# Altium PCB BA-77GHz-Radar_Frontend.PcbDoc (part 2 of 4)
Units mm, origin at the board's own origin, x right, y up, seen from the top; angles counter-clockwise.
Board outline 160 x 110 mm, 6 copper layers (Top Copper, Signal Layer 1, Signal Layer 2, Signal Layer 3, Signal Layer 4, Bot Copper), stack 1.67 mm thick; 271 components, 238 nets, 1207 pads, 1481 vias.
Unrouted connection lines stored in the file: 391.
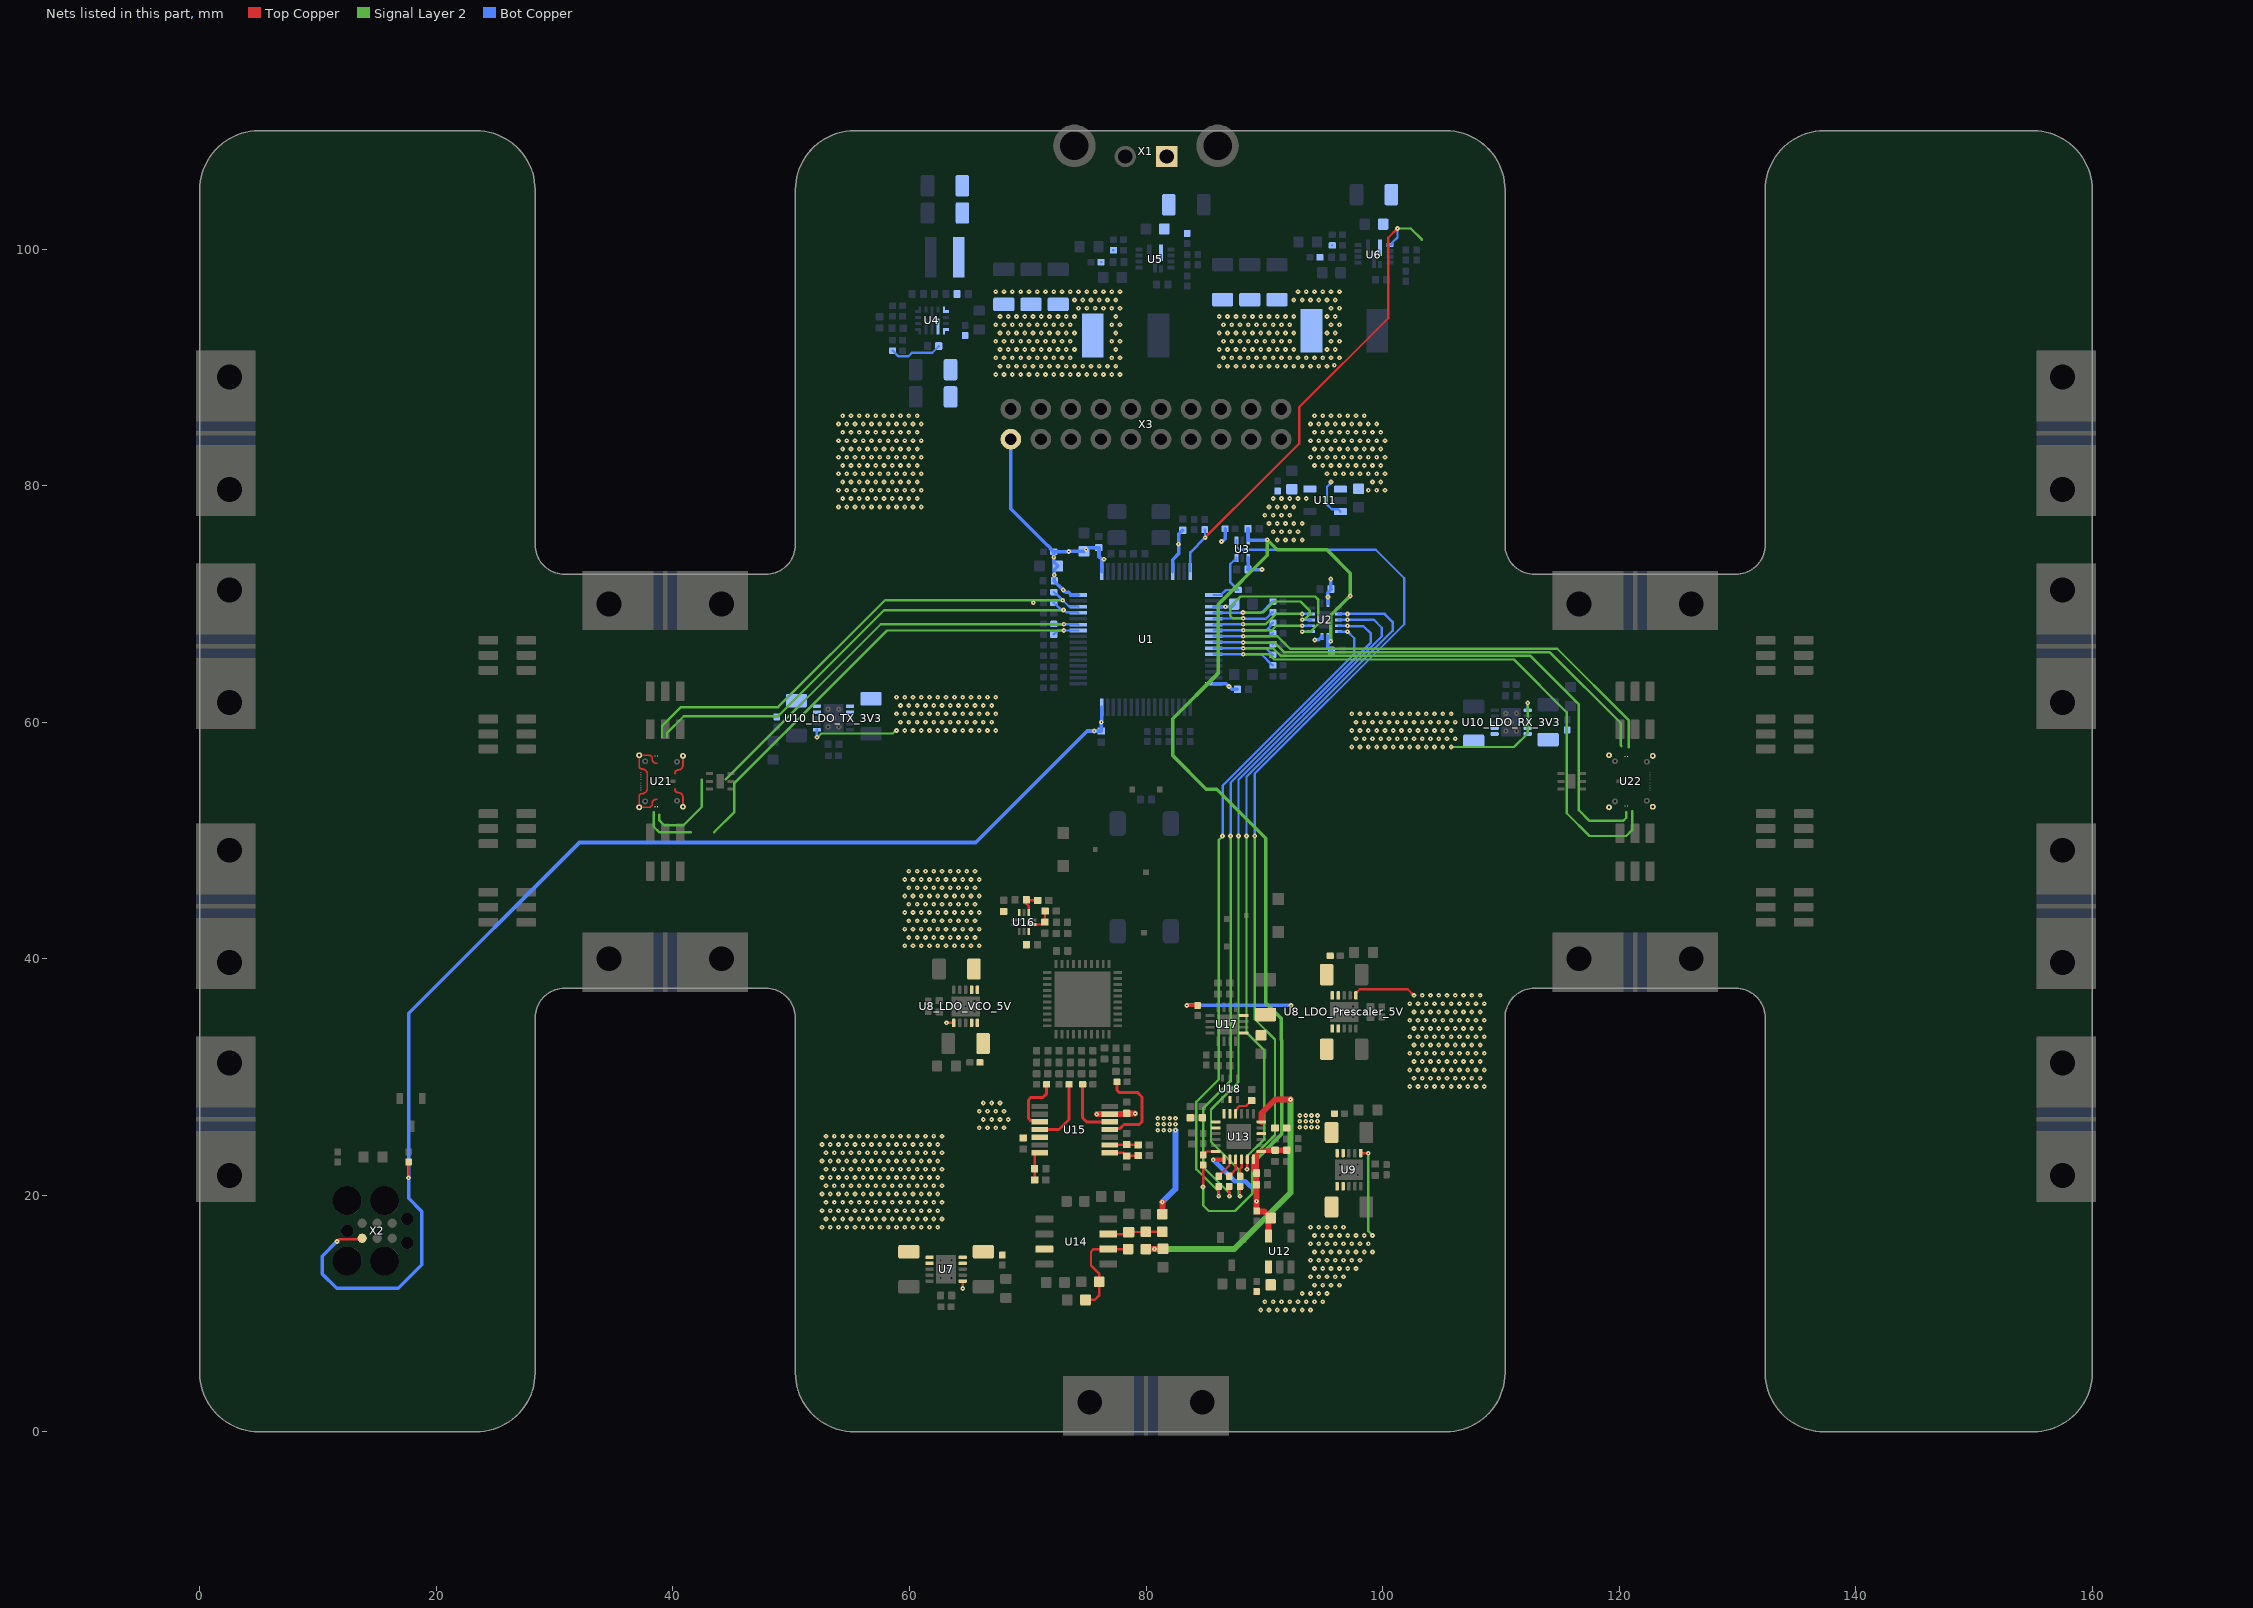
[diagram p4: the nets of this part, all layers, seen from the top]

## Footprints (in the part's own frame and the unit in brackets; to place one, negate y for a bottom-side part, rotate by r counter-clockwise, add the part's x,y. Pads: shape width x height; smd on the part's side, far side on the other; paste and mask are expansions set on the pad) (continued)
RUVETX1_LO_20GHz [mm] "RUVETX1 mit 20GHz LO"
  rect 0.325x0.4 smd mask+0: 1(0,-1)
  rect 0.1x0.1 smd mask+0: 2(0.15,1.716) 3(0.35,1.716) 4(0.55,1.716) 5(0.75,1.716) 8(2.15,0.3) 9(2.15,0.5) 10(-0.15,1.716) 11(-0.35,1.716) 12(-0.55,1.716) 13(-0.75,1.716)
  rect 0.01x0.2 smd: 6(1.155,-0.492) 7(1.155,-0.158) 14(-1.155,-0.492) 15(-1.155,-0.158)
  rect 0.1x0.1 smd: 16(-2.15,0.3) 17(-2.15,0.5)
  round 0.5 hole 0.2 mask+0: 18(-2.2,1.85) 18(-2.15,-1.85) 18(2.15,-1.85) 18(2.2,1.85) 19(-1.7,1.35) 19(-1.65,-1.35) 19(1.65,-1.35) 19(1.7,1.35)
  rect 0.058x0.075 on Mech2: D1(0,0.608) D1(0,-0.608)
  rect 0.085x0.105 on Mech2: D2(0.28,-0.593) D3(0.38,-0.593) D4(0.58,-0.593) D5(0.68,-0.593) D10(-0.28,-0.593) D11(-0.38,-0.593) D12(-0.58,-0.593) D13(-0.68,-0.593) D18(-0.18,0.592) D18(0.18,0.592) D19(-0.78,-0.593) D19(-0.48,-0.593) D19(-0.18,-0.593) D19(0.18,-0.593) D19(0.48,-0.593) D19(0.78,-0.593)
  rect 0.085x0.095 on Mech2: D2(0.38,0.597) D3(0.48,0.597) D4(0.68,0.597) D5(0.78,0.597) D10(-0.38,0.597) D11(-0.48,0.597) D12(-0.68,0.597) D13(-0.78,0.597)
  rect 0.078x0.058 on Mech2: D6(0.952,-0.4) D7(0.952,-0.25) D14(-0.952,-0.4) D15(-0.952,-0.25) D19(-0.952,-0.475) D19(-0.952,-0.325) D19(-0.952,-0.175) D19(0.952,-0.475) D19(0.952,-0.325) D19(0.952,-0.175)
  rect 0.105x0.085 on Mech2: D8(0.796,0.215) D9(0.937,0.415) D16(-0.796,0.215) D17(-0.937,0.415) D18(-0.937,0.015) D18(-0.937,0.115) D18(0.937,0.015) D18(0.937,0.115) D19(-0.937,-0.085) D19(-0.937,0.215) D19(0.937,-0.085) D19(0.937,0.215)
  rect 0.085x0.085 on Mech2: D19(-0.58,0.602) D19(-0.28,0.602) D19(0.28,0.602) D19(0.58,0.602)
  rect 0.078x0.075 on Mech2: D19(-0.085,0.608) D19(-0.085,-0.608) D19(0.085,0.608) D19(0.085,-0.608)
  rect 0.325x0.4 on Mech2 mask+0: L1(0,-1)
  rect 0.1x0.1 on Mech2: L2(0.15,1.716) L3(0.35,1.716) L4(0.55,1.716) L5(0.75,1.716) L8(2.15,0.3) L9(2.15,0.5) L10(-0.15,1.716) L11(-0.35,1.716) L12(-0.55,1.716) L13(-0.75,1.716) L16(-2.15,0.3) L17(-2.15,0.5) L18(-1.737,1.85) L19(0.419,-0.862)
  rect 0.01x0.2 on Mech2: L6(1.155,-0.492) L7(1.155,-0.158) L14(-1.155,-0.492) L15(-1.155,-0.158)
  Top Copper region: 1.65,-1.6 1.746,-1.581 1.827,-1.527 1.881,-1.446 1.9,-1.35 1.9,-1.35 1.881,-1.254 1.827,-1.173 1.746,-1.119 1.65,-1.1 1.65,-1.1 1.419,-1.054 1.223,-0.923 1.223,-0.923 1.1,-0.8 0.35,-0.8 0.35,-0.925 0.925,-0.925 0.971,-0.934 1.01,-0.96 1.01,-0.96 1.4,-1.35 1.419,-1.446 1.473,-1.527 1.554,-1.581 1.65,-1.6
  Top Copper region: 1.7,1.1 1.796,1.119 1.877,1.173 1.931,1.254 1.95,1.35 1.95,1.35 1.931,1.446 1.877,1.527 1.796,1.581 1.7,1.6 1.7,1.6 1.604,1.581 1.523,1.527 1.469,1.446 1.45,1.35 1.45,1.35 1.333,1.233 1.02,1.024 0.65,0.95 0.65,0.95 0,0.95 0,0.8 1.15,0.8 1.15,0.3 1.3,0.3 1.374,0.67 1.583,0.983 1.583,0.983
  Top Copper region: -1.7,1.1 -1.796,1.119 -1.877,1.173 -1.931,1.254 -1.95,1.35 -1.95,1.35 -1.931,1.446 -1.877,1.527 -1.796,1.581 -1.7,1.6 -1.7,1.6 -1.604,1.581 -1.523,1.527 -1.469,1.446 -1.45,1.35 -1.45,1.35 -1.333,1.233 -1.02,1.024 -0.65,0.95 -0.65,0.95 0,0.95 0,0.8 -1.15,0.8 -1.15,0.3 -1.3,0.3 -1.374,0.67 -1.583,0.983 -1.583,0.983
  Top Copper region: -1.65,-1.6 -1.746,-1.581 -1.827,-1.527 -1.881,-1.446 -1.9,-1.35 -1.9,-1.35 -1.881,-1.254 -1.827,-1.173 -1.746,-1.119 -1.65,-1.1 -1.65,-1.1 -1.419,-1.054 -1.223,-0.923 -1.223,-0.923 -1.1,-0.8 -0.35,-0.8 -0.35,-0.925 -0.925,-0.925 -0.971,-0.934 -1.01,-0.96 -1.01,-0.96 -1.4,-1.35 -1.419,-1.446 -1.473,-1.527 -1.554,-1.581 -1.65,-1.6
  Top Copper pour cut-out: -2.433,2.065 2.43,2.065 2.43,-2.049 -2.433,-2.049
  Top Copper lines w0.15: 1.525,0.35 1.525,0.38 ; -0.645,-1.17 -0.695,-1.17 ; 0.645,-1.17 0.695,-1.17 ; -2.15,-1.85 -1.375,-1.85 ; -2.2,1.85 -2.2,1.393 ; -2.2,1.85 -1.274,1.85 ; -2.2,1.85 -1.274,1.85 ; -1.274,1.85 cw(c-1.274,1.623) -1.047,1.623 ; -1.274,1.85 cw(c-1.274,1.623) -1.047,1.623 ; 1.274,1.85 ccw(c1.274,1.623) 1.047,1.623 ; 1.274,1.85 ccw(c1.274,1.623) 1.047,1.623 ; 1.274,1.85 2.2,1.85 ; 1.274,1.85 2.2,1.85 ; 2.2,1.85 2.2,1.393 2.2,1.019 ; -1.047,1.623 ccw(c-0.594,1.623) -0.594,1.17 ; -1.047,1.623 ccw(c-0.594,1.623) -0.594,1.17 ; 1.047,1.623 cw(c0.594,1.623) 0.594,1.17 ; 1.047,1.623 cw(c0.594,1.623) 0.594,1.17 ; -2.2,1.393 -2.2,1.019 ; -2.2,1.393 -2.2,1.019 ; -0.594,1.17 0,1.17 ; 0,1.17 0.594,1.17 ; 0,1.17 0.594,1.17 ; -2.2,1.019 ccw(c-1.93,1.019) -2.121,0.828 ; -2.2,1.019 ccw(c-1.93,1.019) -2.121,0.828 ; 2.2,1.019 cw(c1.93,1.019) 2.121,0.828 ; 2.2,1.019 cw(c1.93,1.019) 2.121,0.828 ; -2.121,0.828 -2.118,0.825 ; -2.121,0.828 -2.118,0.825 ; 2.121,0.828 2.118,0.825 ; 2.121,0.828 2.118,0.825 ; -2.118,0.825 ccw(c-1.905,1.039) -1.905,0.737 ; -2.118,0.825 ccw(c-1.905,1.039) -1.905,0.737 ; 2.118,0.825 cw(c1.905,1.039) 1.905,0.737 ; 2.118,0.825 cw(c1.905,1.039) 1.905,0.737 ; -1.905,0.737 -1.789,0.737 ; -1.789,0.737 cw(c-1.789,0.539) -1.649,0.679 ; -1.789,0.737 cw(c-1.789,0.539) -1.649,0.679 ; 1.789,0.737 ccw(c1.789,0.539) 1.649,0.679 ; 1.789,0.737 ccw(c1.789,0.539) 1.649,0.679 ; 1.789,0.737 1.905,0.737 ; 1.789,0.737 1.905,0.737 ; -1.649,0.679 cw(c-1.948,0.38) -1.525,0.38 ; -1.649,0.679 cw(c-1.948,0.38) -1.525,0.38 ; 1.649,0.679 ccw(c1.948,0.38) 1.525,0.38 ; 1.649,0.679 ccw(c1.948,0.38) 1.525,0.38 ; -1.525,0.38 -1.525,0.35 -1.525,0.38 ; -0.695,-1.17 ccw(c-0.695,-1.428) -0.953,-1.428 ; -0.695,-1.17 ccw(c-0.695,-1.428) -0.953,-1.428 ; 0.695,-1.17 cw(c0.695,-1.428) 0.953,-1.428 ; 0.695,-1.17 cw(c0.695,-1.428) 0.953,-1.428 ; -0.953,-1.428 cw(c-1.375,-1.428) -1.375,-1.85 ; -0.953,-1.428 cw(c-1.375,-1.428) -1.375,-1.85 ; 0.953,-1.428 ccw(c1.375,-1.428) 1.375,-1.85 ; 0.953,-1.428 ccw(c1.375,-1.428) 1.375,-1.85 ; 1.375,-1.85 2.15,-1.85 1.375,-1.85
  Top Copper keep-out region: -1.15,-0.8 -1.15,0.8 1.15,0.8 1.15,-0.8
  body extent -1,-0.65 1,0.65
SOIC-8_3.9x4.9mm_P1.27mm_IPC_N [mm] "SOIC, 8-Leads, Body 4,90x3,90mm, Pitch 1,27mm, IPC Medium Density"
  rrect25% 1.5x0.6 smd: 1(-2.7,1.905) 2(-2.7,0.635) 3(-2.7,-0.635) 4(-2.7,-1.905) 5(2.7,-1.905) 6(2.7,-0.635) 7(2.7,0.635) 8(2.7,1.905)
  silkscreen extent -2.83,-2.45 1.55,2.88, body extent -3,-2.45 3,2.45, height 1.75
SOT-23-3 [mm] "SOT23, 3-Leads, Body 2,90x2,40mm, Pitch 0,95mm, IPC Medium Density"
  rect 0.95x0.56 smd: 1(-1.17,0.95) 2(-1.17,-0.95) 3(1.17,0)
  silkscreen extent -1.29,-1.45 0.65,1.91, body extent -1.2,-1.45 1.2,1.45, height 1
SOT-23-5 [mm] "SOT23, 5-Leads, Body 2,90x2,80mm, Pitch 0,95mm, IPC Medium Density"
  rrect25% 1.1x0.6 smd: 1(-1.3,0.95) 2(-1.3,0) 3(-1.3,-0.95) 4(1.3,-0.95) 5(1.3,0.95)
  silkscreen extent -1.43,-1.45 0.4,1.92, body extent -1.4,-1.45 1.4,1.45, height 1.1
SOTFL50P160X60-6N [mm] "SOTFL, 6-Leads, Body 1,60x1,60mm, Pitch 0,50mm, IPC Medium Density"
  rect 0.67x0.3 smd: 1(-0.74,0.5) 2(-0.74,0) 3(-0.74,-0.5) 4(0.74,-0.5) 5(0.74,0) 6(0.74,0.5)
  silkscreen extent -0.86,-0.85 0.05,1.33, body extent -0.8,-0.85 0.8,0.85, height 0.6
Tag-Connect_TC2030-IDC-FP_2x03_P1.27mm_Vertical [mil]
  round 30.98 smd paste-39.37: 1(-50,-25) 2(-50,25) 3(0,-25) 4(0,25) 5(50,-25) 6(50,25)
  round 96.5 hole 96.5 unplated: ""(-100,-100) ""(-100,100) ""(25,-100) ""(25,100)
  round 42.01 hole 42.01 unplated: ""(-100,0) ""(100,-40) ""(100,40)
  Keep-Out Layer region: 187 vertices and 0 holes, not listed, extent -50,-25 50,25
  Keep-Out Layer region: 55.49,-181.81 -5.49,-181.81 -5.49,-135.83 55.49,-135.83
  Keep-Out Layer region: 55.49,135.83 -5.49,135.83 -5.49,181.81 55.49,181.81
  Keep-Out Layer region: -69.51,135.83 -130.49,135.83 -130.49,181.81 -69.51,181.81
  Keep-Out Layer region: -69.51,-181.81 -130.49,-181.81 -130.49,-135.83 -69.51,-135.83
  silkscreen extent -182,-174 183,147
TL3301AF160QG [mm]
  rrect50% 2.1x1.4 smd: 1(-4.676,-2.395) 2(4.424,-2.395) 3(-4.676,2.105) 4(4.424,2.105)
  silkscreen extent -5.6,-3.15 2.87,2.85, body extent -5.13,-3.15 4.87,2.85, height 5.1
TSSOP65P640X120-14N [mm] "TSSOP, 14-Leads, Body 5,00x4,40mm, Pitch 0,65mm, IPC Medium Density"
  rect 1.4x0.45 smd: 1(-2.95,1.95) 2(-2.95,1.3) 3(-2.95,0.65) 4(-2.95,0) 5(-2.95,-0.65) 6(-2.95,-1.3) 7(-2.95,-1.95) 8(2.95,-1.95) 9(2.95,-1.3) 10(2.95,-0.65) 11(2.95,0) 12(2.95,0.65) 13(2.95,1.3) 14(2.95,1.95)
  silkscreen extent -3.08,-2.55 1.85,2.85, body extent -3.2,-2.55 3.2,2.55, height 1.2
V-QFN2030-12-Type-A_3.05x2.05mm_P0.5mm [mm]
  rrect25% 1.4x0.35 smd: 1(-0.5,0.5) 2(-0.5,-0.5) 8(0.5,0)
  rrect25% 0.35x0.6 smd: 3(-0.75,-1.35) 4(-0.25,-1.35) 5(0.25,-1.35) 6(0.75,-1.35) 9(0.75,1.35) 10(0.25,1.35) 11(-0.25,1.35) 12(-0.75,1.35)
  rrect25% 0.6x0.35 smd: 7(0.9,-0.5)
  silkscreen extent -1.6,-1.5 1.2,1.5, body extent -1,-1.5 1,1.5, height 0.8
VQFN13_2_5x2 [mm]
  rect 0.525x0.25 smd: 1(-1.188,0.71) 2(-1.188,0.21) 3(-1.188,-0.29) 4(-1.188,-0.79) 8(1.188,-0.79) 9(1.188,-0.29) 10(1.188,0.21) 11(1.188,0.71)
  rect 0.2x0.325 smd: 1(-1.025,0.998) 4(-1.025,-1.078) 8(1.025,-1.078) 11(1.025,0.998)
  rect 0.25x1.35 smd: 5(-0.5,-0.566) 7(0.5,-0.566)
  rect 0.25x2.4 smd: 6(0,-0.04)
  rect 0.25x0.525 smd: 12(0.5,0.9) 13(-0.5,0.9)
  silkscreen extent -1.9,0.66 -1.8,0.76, body extent -1.32,-1.07 1.32,1.07, height 1.05
Wilkinson_8GHz_RO4350B_254um [mm]
  rect 0.48x0.48 smd paste-2539.97 mask+0: 1(0,-5.55) 2(-1.163,1.45) 3(1.163,1.45)
  Top Copper region: -0.24,-4.179 -1.191,-3.87 -1.898,-3.162 -2.204,-2.209 -2.204,-2.209 -2.043,-1.222 -1.45,-0.417 -0.555,0.03 -0.555,0.03 -0.555,0.085 -1.262,0.792 -1.322,0.865 -1.366,0.948 -1.366,0.948 -1.393,1.038 -1.403,1.132 -1.403,1.132 -1.403,1.45 -0.923,1.45 -0.923,1.132 -0.216,0.424 -0.156,0.352 -0.112,0.269 -0.112,0.269 -0.084,0.179 -0.075,0.085 -0.075,0.085 -0.075,-0.185 -0.789,-0.327 -1.394,-0.731 -1.798,-1.336 -1.94,-2.05 -1.94,-2.05 -1.798,-2.764 -1.394,-3.369 -0.789,-3.773 -0.075,-3.915 -0.075,-3.915 0.075,-3.915 0.789,-3.773 1.394,-3.369 1.798,-2.764 1.94,-2.05 1.94,-2.05 1.798,-1.336 1.394,-0.731 0.789,-0.327 0.075,-0.185 0.075,-0.185 0.075,0.085 0.084,0.179 0.112,0.269 0.112,0.269 0.156,0.352 0.216,0.424 0.216,0.424 0.923,1.132 0.923,1.45 1.403,1.45 1.403,1.132 1.393,1.038 1.366,0.948 1.366,0.948 1.322,0.865 1.262,0.792 1.262,0.792 0.555,0.085 0.555,0.03 1.45,-0.417 2.043,-1.222 2.204,-2.209 2.204,-2.209 1.898,-3.162 1.191,-3.87 0.24,-4.179 0.24,-4.179 0.24,-5.55 -0.24,-5.55
WQFN-14-1EP_2.5x3mm_P0.5mm_EP1.0x1.5mm_IPC_N [mm] "QFN, 14-Leads, Body 2,50x3,00mm, Pitch 0,50mm, Thermal Pad 1,00x1,50mm, IPC Medium Density"
  rect 0.25x0.6 smd: 1(-0.25,1.4) 7(-0.25,-1.4) 8(0.25,-1.4) 14(0.25,1.4)
  rect 0.6x0.25 smd: 2(-1.15,1) 3(-1.15,0.5) 4(-1.15,0) 5(-1.15,-0.5) 6(-1.15,-1) 9(1.15,-1) 10(1.15,-0.5) 11(1.15,0) 12(1.15,0.5) 13(1.15,1)
  rect 1x1.5 smd: 15(0,0)
  silkscreen extent -2.22,-1.7 1.45,1.7, body extent -1.35,-1.6 1.35,1.6, height 0.8
XTAL_SMD_5032_4Pin_5x3.2mm [mm]
  rrect25% 1.6x1.25 smd: 1(-1.85,-1.1) 2(1.85,-1.1) 3(1.85,1.1) 4(-1.85,1.1)
  silkscreen extent -3.31,-1.6 2.5,1.6, body extent -2.5,-1.6 2.5,1.6, height 0.85

## Part data
C1 C2 C3 C4 C8 C11 C12 C13 C65 C67 C69 C71 C83 C94 C95 C96 C97: library part C000002, "Generic MLCC with 0402 Footprint", Case=0402, Supplier Part Number 1=81-GRM155R71H104KE4D, Temp Coefficient=X7R, Tolerance=10%, Voltage Rated=50V, ID=C000002, Specific Component=False, Supplier 1=Mouser, Supplier 2=Digikey, Supplier Part Number 2=490-10700-1-ND
  C1 C2 C3 C4 C8 C11 C12 C13 C65 C67 C69 C71 C95 C96 C97: Capacitance=100n
  C83 C94: Capacitance=0u47
C5 C6 C7 C9: library part C000003, "Generic MLCC with 0603 Footprint", Case=0603, Supplier Part Number 1=81-GRM188R61E225KA2D, Capacitance=2.2u, ID=C000003, Specific Component=False, Supplier 1=Mouser
C10 C16 C23 C24 C73 C82 C86 C87 C88 C93 C99 C100 C101 C102: library part C000002, "Generic MLCC with 0402 Footprint", Case=0402, ID=C000002, Specific Component=False
  C16 C99 C100 C101 C102: Capacitance=100n
  C23: Capacitance=470n
  C24: Capacitance=4u7
  C73: Capacitance=100p
  C82 C93: Capacitance=0u47
  C86 C87 C88: Capacitance=1n
C14 C15: library part C000002, "Generic MLCC with 0402 Footprint", Case=0402, Supplier Part Number 1=C0402C200F5GACTU, Capacitance=20p, ID=C000002, Specific Component=False, Supplier 1="Arrow Electronics"
C17 C18 C21 C22: library part C000005, "Generic MLCC with 1206 Footprint", Case=1206, Temp Coefficient=X7R, Voltage Rated=50V, Capacitance=10u, ID=C000005, Specific Component=False
C19 C20 C25 C26: library part C000002, "Generic MLCC with 0402 Footprint", Case=0402, Temp Coefficient=X7R, Voltage Rated=50V, ID=C000002, Specific Component=False
  C19 C20: Capacitance=1u
  C25: Capacitance=15p
  C26: Capacitance=2n2
C27 C30 C31 C34 C37 C38 C41 C44: library part C000005, "Generic MLCC with 1206 Footprint", Case=1206, Capacitance=22u, ID=C000005, Specific Component=False
C28 C35 C46 C49 C51 C54 C78 C104: library part C000003, "Generic MLCC with 0603 Footprint", Case=0603, ID=C000003, Specific Component=False
  C28 C35: Capacitance=100n
  C46: Capacitance=180p
  C49: Capacitance=10n
  C51: Capacitance=100p
  C54: Capacitance=390p
  C78: Capacitance=1u
  C104: Capacitance=1n
C29 C36: library part C000002, "Generic MLCC with 0402 Footprint", Case=0402, Supplier Part Number 1=1292-1176-1-ND, Capacitance=100n, ID=C000002, Specific Component=False, Supplier 1=Digikey
C32 C39: library part C000003, "Generic MLCC with 0603 Footprint", Case=0603, Supplier Part Number 1=81-GRM185R61E105KA2D, Capacitance=1u, ID=C000003, Specific Component=False, Supplier 1=Mouser
C33 C40: library part C000002, "Generic MLCC with 0402 Footprint", Case=0402, Supplier Part Number 1=81-GRM1555C2A102GE1D, Capacitance=1n, ID=C000002, Specific Component=False, Supplier 1=Mouser
C42 C43 C47_LDO_Prescaler_5V C47_LDO_VCO_5V C48_LDO_Prescaler_5V C48_LDO_VCO_5V C52 C53 C57_LDO_RX_3V3 C57_LDO_TX_3V3 C58_LDO_RX_3V3 C58_LDO_TX_3V3: library part C000005, "Generic MLCC with 1206 Footprint", Case=1206, Temp Coefficient=X7R, Voltage Rated=15V, ID=C000005, Specific Component=False
  C42 C43 C47_LDO_Prescaler_5V C47_LDO_VCO_5V C48_LDO_Prescaler_5V C48_LDO_VCO_5V C52 C53 C57_LDO_RX_3V3 C57_LDO_TX_3V3: Capacitance=4u7
  C58_LDO_RX_3V3 C58_LDO_TX_3V3: Capacitance=10u
C45 C50_LDO_Prescaler_5V C50_LDO_VCO_5V C55 C60_LDO_RX_3V3 C60_LDO_TX_3V3: library part C000002, "Generic MLCC with 0402 Footprint", Case=0402, Temp Coefficient=X7R, Capacitance=470n, ID=C000002, Specific Component=False
C56: library part C000002, "Generic MLCC with 0402 Footprint", Case=0402, Supplier Part Number 1=81-GRM1555C1H102JA1D, Temp Coefficient=C0G, Tolerance=5%, Voltage Rated=50V, Capacitance=1n, ID=C000002, Specific Component=False, Supplier 1=Mouser, Supplier 2=Digikey, Supplier Part Number 2=490-3244-1-ND
C61 C62 C63 C64: library part C000003, "Generic MLCC with 0603 Footprint", Case=0603, Temp Coefficient=X7R, Voltage Rated=15V, ID=C000003, Specific Component=False
  C61 C62 C64: Capacitance=1u
  C63: Capacitance=100n
C66 C68 C70 C72: library part C000002, "Generic MLCC with 0402 Footprint", Case=0402, Supplier Part Number 1=187-CL05C100DB5NNNC, Temp Coefficient=C0G, Tolerance=0.5p, Voltage Rated=50V, Capacitance=10p, ID=C000002, Specific Component=False, Supplier 1=Mouser, Supplier 2=Digikey, Supplier Part Number 2=1276-1625-1-ND
C79 C80 C81 C84 C85 C89 C90 C91 C92 C98: library part C000002, "Generic MLCC with 0402 Footprint", Case=0402, Voltage Rated=50V, ID=C000002, Specific Component=False
  C79: Capacitance=100p
  C80 C81 C84 C85 C89 C90 C91 C92: Capacitance=15n
  C98: Capacitance=2u2
C103: library part C000008, "Generic MLCC with 1206 Footprint", Case=1206, Capacitance=2u2, ID=C000008, Specific Component=False
FB1 FB2 FB3 FB4 FB5 FB6 FB7 FB8 FB9 FB10: library part L000016, "Ferrite Beads, 220Ω, 0.3A, *, 700m, *, 0402", Case=0402, Current Rating=0.3A, DC resistance=700m, Manufacturer="Murata Electronics", Manufacturer Part Number=BLM15GG221SN1D, max Temperature=+125, min Temperature=-55, Supplier Part Number 1=490-5197-1-ND, ComponentLink1Description=Datasheet, ComponentLink1URL=https://www.mouser.de/datasheet/3/76/1/ENFA0029.pdf, ID=L000016, Inductance=220Ω, Specific Component=True, Supplier 1=Digikey, Supplier 2=Mouser, Supplier Part Number 2=81-BLM15GG221SN1D, Type="Ferrite Beads"
I_IF_RX_1 I_IF_RX_2 I_IF_TX_1 I_IF_TX_2 Q_IF_RX_1 Q_IF_RX_2 Q_IF_TX_1 Q_IF_TX_2 REF RX_IN_1 RX_IN_2 TX_OUT_1 TX_OUT_2: library part X000012, "WR-SMA Connector, PCB Solderless, DC~18GHz, 50Ohm", Frequency Range=DC~18GHz, Manufacturer=Würth, Operating Temperature Max=165°C, Operating Temperature Min=-65°C, Category="Coaxial Connectors", Center Contact Diameter=0.25mm, ComponentLink1Description=Datasheet, ComponentLink1URL=https://www.we-online.com/components/products/datasheet/60312862112552.pdf, ComponentLink2Description="Datasheet Link", ComponentLink2URL=https://www.we-online.com/redexpert/spec/60312862112552?ad, Connector Type=SMA, Gender=Jack, ID=X000012, Impedance=50Ohm, Interface Type=MIL-STD-348, Manufacturer Part Number=60312862112552, Match Code=WR-SMA, Mount=Screw, Orientation="Right Angle", Packaging=Tray, Part Value=60312862112552, Type="SMA Solderless Würth"
L1: library part L000015, "Power Inductor, 4.7u, 5A, , 57m, 20%, 1616", Case=1616, Current - Saturation=2.7A, Current Rating=5A, DC resistance=57m, Manufacturer=Coilcraft, Manufacturer Part Number=XFL4020-472MEC, max Temperature=+125, min Temperature=-40, Supplier Part Number 1=4652-XFL4020-472MEC-ND, Tolerance=20%, ComponentLink1Description=Datasheet, ComponentLink1URL=https://www.coilcraft.com/getmedia/50632d43-da1b-4cdb-8ab4-3029cab51df3/xfl4020.pdf, ID=L000015, Inductance=4.7u, Specific Component=True, Supplier 1=Digikey, Supplier 2=Mouser, Supplier Part Number 2=994-XFL4020-472MEC, Type="Power Inductor"
L2 L3: library part L000012, "Power Inductor, 2.2u, 8A, -, 20m, 20%, LMLP07A7", Case=LMLP07A7, Current - Saturation=12A, Current Rating=8A, DC resistance=20m, Manufacturer=Kyocera/AVX, Manufacturer Part Number=LMLP07A7M2R2DTAS, max Temperature=+155, min Temperature=-55, Q @ Freq=-, Supplier Part Number 1=478-LMLP07A7M2R2DTASCT-ND, Tolerance=20%, ComponentLink1Description=Datasheet, ComponentLink1URL=https://datasheets.kyocera-avx.com/LMLPD.pdf, ID=L000012, Inductance=2.2u, Supplier 1=Digikey, Supplier 2=Mouser, Supplier Part Number 2=581-LMLP07A7M2R2DTAS, Type="Power Inductor"
LED4 LED6 LED8 LED14 LED15_LDO_Prescaler_5V LED15_LDO_VCO_5V LED16 LED17_LDO_RX_3V3 LED17_LDO_TX_3V3 LED18 LED19: library part LED000007, "MLCC, Low Current, Green, 2.2V, 20mA, 0603", Case=0603, Current=20mA, Forward Voltage=2.2V, Manufacturer="Broadcom / Avago", Manufacturer Part Number=HSMG-C190, Supplier Part Number 1=630-HSMG-C190, Colour=Green, ComponentLink1Description=Datasheet, ComponentLink1URL=https://www.mouser.de/datasheet/3/57/1/AV02_0551EN_DS_HSMx_Cxxx_25Mar2022.pdf, ID=LED000007, Specific Component=True, Supplier 1=Mouser, Supplier 2=Digikey, Supplier Part Number 2=516-1425-1-ND, Type="Low Current"
LED12: library part LED000008, "MLCC, Low Current, Orange, 2.2V, 20mA, 0603", Case=0603, Current=20mA, Forward Voltage=2.2V, Manufacturer="Broadcom / Avago", Manufacturer Part Number=HSMD-C190, Supplier Part Number 1=630-HSMD-C190, Colour=Orange, ComponentLink1Description=Datasheet, ComponentLink1URL=https://www.mouser.de/datasheet/3/57/1/AV02_0551EN_DS_HSMx_Cxxx_25Mar2022.pdf, ID=LED000008, Specific Component=True, Supplier 1=Mouser, Supplier 2=Digikey, Supplier Part Number 2=516-2489-1-ND, Type="Low Current"
LO_In LO_Out: library part X000008, Manufacturer=Rosenberger, Supplier Part Number 1=476-19S102-40ML5, ComponentLink1Description=Datasheet, ComponentLink1URL=https://products.rosenberger.com/_ocassets/db/19S102-40ML5.pdf, ID=X000008, Manufacturer Part Number=19S102-40ML5, Part Value=19S102-40ML5, Supplier 1=Mouser, Supplier 2=Digikey, Supplier Part Number 2=476-19S102-40ML5, Type="SMP Coax PCB Vertical Mount"
MC2 MC3: library part LG000001, Design Frequency=8GHz, ID=LG000001, Substrate Height=254um, Substrate Type=RO4350B, Type=Wilkinson
Q2 Q3: library part PMIC000033, Case=SOT-23-3, Manufacturer="Diotec Semiconductor", Supplier Part Number 1=4878-BC847BCT-ND, ComponentLink1Description=Datasheet, ComponentLink1URL=https://diotec.com/request/datasheet/bc846.pdf, ID=PMIC000033, Manufacturer Part Number=BC847B, Part Value=BC847B, Supplier 1=Digikey, Supplier 2=Mouser, Supplier Part Number 2=637-BC847B, Type=NPN
R1 R2 R3 R4 R5 R6 R7 R8 R9 R10 R11 R12 R13 R14 R15 R16 R17 R18 R19 R20 R21 R22 R23 R24 R25 R26 R31 R32 R33 R34 R35 R36 R37 R38 R39 R40 R41 R42 R43_LDO_Prescaler_5V R43_LDO_VCO_5V R44 R45_LDO_RX_3V3 R45_LDO_TX_3V3 R46 R48 R49 R50 R51 R52 R53 R54 R55 R61 R62 R63 R64 R65 R66 R69 R70 R78 R79_LDO_Prescaler_5V R79_LDO_VCO_5V R80 R81_LDO_RX_3V3 R81_LDO_TX_3V3 R82 R83 R84 R85: library part R000002, "Generic Chip Resistor with 0402 Footprint", Case=0402, ID=R000002, Specific Component=False
  R1 R2 R3 R4: Resistance=390R
  R5 R6 R7 R8 R9 R10 R11 R13 R15 R17 R18 R19 R20 R21 R22 R23 R24 R51 R52 R53 R54 R55 R65 R66 R70: Resistance=10k
  R12 R78: Resistance=6k8
  R14: Resistance=1k
  R16: Resistance=2k2
  R25 R79_LDO_Prescaler_5V R79_LDO_VCO_5V: Resistance=1k5
  R26: Resistance=680k
  R31 R36 R41: Resistance=100k
  R32 R37: Resistance=0R
  R33: Resistance=169k
  R34 R39: Resistance=30.1k
  R35 R40: Resistance=DNI
  R38: Resistance=271k
  R42: Resistance=150k
  R43_LDO_Prescaler_5V R43_LDO_VCO_5V: Resistance=49k9
  R44 R45_LDO_RX_3V3 R45_LDO_TX_3V3: Resistance=33k2
  R46 R48 R49 R50: Resistance=330
  R61 R62 R63 R64: Resistance=3R3
  R69 R85: Resistance=50
  R80 R81_LDO_RX_3V3 R81_LDO_TX_3V3 R82: Resistance=680R
  R83: Resistance=2k7
  R84: Resistance=68k
R27 R28 R29 R30: library part R000002, "Generic Chip Resistor with 0402 Footprint", Case=0402, Power Rating=0.063W, ID=R000002, Specific Component=False
  R27: Resistance=1M5
  R28: Resistance=100k
  R29: Resistance=57k6
  R30: Resistance=80k6
R47: library part R000002, "Generic Chip Resistor with 0402 Footprint", Case=0402, Tolerance=1%, ID=R000002, Resistance=5k1, Specific Component=False
R56 R57 R58 R59 R60: library part R000003, "Generic Chip Resistor with 0603 Footprint", Case=0603, ID=R000003, Specific Component=False
  R56: Resistance=R390
  R57: Resistance=R220
  R58: Resistance=R240
  R59 R60: Resistance=47k
T1 T2 T3 T4 T5 T6 T7 T8 T9 T10 T11 T12: library part RF000014, Case=DB1627, Manufacturer=Minicircuits, Supplier Part Number 1=139-TCM1-63AX, ComponentLink1Description=Datasheet, ComponentLink1URL=https://www.minicircuits.com/pdfs/TCM1-63AX+.pdf, ID=RF000014, Manufacturer Part Number=TCM1-63AX+, Part Value=TCM1-63AX+, Supplier 1=Mouser, Supplier 2=Digikey, Supplier Part Number 2=3157-TCM1-63AX+CT-ND, Type=Balun
U1: library part MC000003, "Arm Cortex-M4 32b MCU+FPU, 125 DMIPS, 512KB Flash, 128KB RAM, USB OTG FS, 11 TIMs, 1 ADC, 13 comm. interfaces", Case=LQFP-64, Manufacturer=STMicroelectronics, Mouser Part Number=511-STM32F411RCT6, ComponentLink1Description=Datasheet, ComponentLink1URL=https://www.st.com/resource/en/datasheet/stm32f411ce.pdf, Datasheet Link=https://www.st.com/resource/en/datasheet/stm32f411ce.pdf, Geometry.Height=1.6mm, ID=MC000003, Manufacturer Part Number=STM32F411RCT6, Manufacturer_Name=STMicroelectronics, Manufacturer_Part_Number=STM32F411RCT6, Mouser Price/Stock=https://www.mouser.co.uk/ProductDetail/STMicroelectronics/STM32F411RCT6?qs=pjMTYa9MTGUZXWYoQTNtbQ%3D%3D, Part Value=STM32F411RCT6, Supplier 1=Mouser, Supplier 2=Digikey, Supplier Part Number 1=511-STM32F411RCT6, Supplier Part Number 2=497-14908-ND
U2: library part LG000017, Case="14-WQFN (2.5x3)", Manufacturer="Texas Instruments", Supplier Part Number 1=296-TXU0304BQARCT-ND, ComponentLink1Description=Datasheet, ComponentLink1URL=https://www.ti.com/de/lit/gpn/txu0304, ID=LG000017, Manufacturer Part Number=TXU0304BQAR, Part Value=TXU0304BQAR, Supplier 1=Digikey, Supplier 2=Mouser, Supplier Part Number 2=595-TXU0304BQAR, Type="Level Shifter"
U3: library part LG000019, Case=SOT-6, Manufacturer="Texas Instruments", Supplier Part Number 1=296-52736-1-ND, ComponentLink1Description=Datasheet, ComponentLink1URL=https://www.ti.com/lit/ds/symlink/sn74lvc1t45.pdf?ts=1771738482652, ID=LG000019, Manufacturer Part Number=SN74LVC1T45DRLRG4, Part Value=SN74LVC1T45DRLRG4, Supplier 1=Digikey, Supplier 2=Mouser, Supplier Part Number 2=595-74LVC1T45DRLRG4, Type="Level Shifter"
U4: library part PMIC000032, Case="VQFN-13 (2.5x2)", Manufacturer="Texas Instruments", Supplier Part Number 1=296-TPS61377RYHRCT-ND, ComponentLink1Description=Datasheet, ComponentLink1URL=https://www.ti.com/lit/ds/symlink/tps61377.pdf?ts=1770979054548&ref_url=https%253A%252F%252Fwww.ti.com%252Fproduct%252Fde-de%252FTPS61377, ID=PMIC000032, Manufacturer Part Number=TPS61377RYHR, Part Value=TPS61377RYHR, Supplier 1=Digikey, Supplier 2=Mouser, Supplier Part Number 2=595-TPS61377RYHR, Type=DC/DC
U5 U6: library part PMIC000004, Case="V-QFN2030-12 (Type A)", Manufacturer="Diodes Incorporated", Supplier Part Number 1=31-AP62500SJ-7CT-ND, ComponentLink1Description=Datasheet, ComponentLink1URL=https://www.diodes.com/assets/Datasheets/AP62500.pdf, ID=PMIC000004, Manufacturer Part Number=AP62500, Part Value=AP62500, Supplier 1=Digikey, Supplier 2=Mouser, Supplier Part Number 2=621-AP62500SJ-7, Type=DC/DC
U7 U8_LDO_Prescaler_5V U8_LDO_VCO_5V U9: library part PMIC000029, Case="10-DFN (3x3)", Manufacturer="Analog Devices", Supplier Part Number 1=505-LT3042EDD#PBF-ND, ComponentLink1Description=Datasheet, ComponentLink1URL=https://www.analog.com/media/en/technical-documentation/data-sheets/lt3042.pdf, ID=PMIC000029, Manufacturer Part Number=LT3042EDD#PBF, Part Value=LT3042EDD#PBF, Supplier 1=Digikey, Supplier 2=Mouser, Supplier Part Number 2=584-LT3042EDD#PBF, Type=LDO
U10_LDO_RX_3V3 U10_LDO_TX_3V3: library part PMIC000030, Case="10-DFN (3x3)", Manufacturer="Analog Devices", Supplier Part Number 1=505-LT3045EDD#PBF-ND, ComponentLink1Description=Datasheet, ComponentLink1URL=https://www.analog.com/media/en/technical-documentation/data-sheets/lt3045.pdf, ID=PMIC000030, Manufacturer Part Number=LT3045EDD#PBF, Part Value=LT3045EDD#PBF, Supplier 1=Digikey, Supplier 2=Mouser, Supplier Part Number 2=584-LT3045EDD#PBF, Type=LDO
U11: library part PMIC000031, Case=SOT-23-5, Manufacturer="Texas Instruments", Supplier Part Number 1=296-50411-1-ND, ComponentLink1Description=Datasheet, ComponentLink1URL=https://www.ti.com/lit/ds/symlink/tlv755p.pdf?ts=1770973910931&ref_url=https%253A%252F%252Fwww.ti.com%252Fproduct%252FTLV755P%252Fpart-details%252FTLV75533PDRVR%253Futm_source%253Dgoogle%2526utm_medium%253Dcpc%2526utm_campaign%253Dapp-null-null-app_opn_en-cpc-storeic-google-eu_en_pur%2526utm_content%253DDevice%2526ds_k%253DTLV75533PDRVR%2526DCM%253Dyes%2526gclsrc%253Daw.ds%2526gad_source%253D1%2526gad_campaignid%253D18945642618%2526gbraid%253D0AAAAAC068F2EIKSMGn-IP6GsPs7bTaxyC%2526gclid%253DCjwKCAiAtLvMBhB_EiwA1u6_PkK8PpmP893KdmBSOr6UVtpkHgVfO7G8NLTFaKf8hjJC2576AnUZ2RoCVqoQAvD_BwE, ID=PMIC000031, Manufacturer Part Number=TLV75533PDBVR, Part Value=TLV75533PDBVR, Supplier 1=Digikey, Supplier 2=Mouser, Supplier Part Number 2=595-TLV75533PDBVR, Type=LDO
U12: library part PMIC000005, Case=SOT-25-5, Manufacturer="Torex Semiconductor", Supplier Part Number 1=893-1060-1-ND, ComponentLink1Description=Datasheet, ComponentLink1URL=https://product.torexsemi.com/system/files/series/xc6204.pdf, ID=PMIC000005, Manufacturer Part Number=XC6204B182MR-G, Part Value=XC6204B182MR-G, Supplier 1=Digikey, Supplier 2=Mouser, Supplier Part Number 2=865-XC6204B182MR-G, Type=LDO
U13: library part CLK000004, Case="24-LFCSP-WQ (4x4)", Manufacturer="Analog Devices", Supplier Part Number 1=584-ADF4169CCPZ, ComponentLink1Description=Datasheet, ComponentLink1URL=https://www.analog.com/media/en/technical-documentation/data-sheets/ADF4169.pdf, ID=CLK000004, Manufacturer Part Number=ADF4169CCPZ, Part Value=ADF4169CCPZ, Supplier 1=Mouser, Supplier 2=Digikey, Supplier Part Number 2=505-ADF4169CCPZ-ND, Type=PLL
U14: library part AMP000003, Case=SOIC-8, Manufacturer="Analog Devices", Supplier Part Number 1=584-AD8065ARZ, ComponentLink1Description=Datasheet, ComponentLink1URL=https://www.analog.com/media/en/technical-documentation/data-sheets/ad8065_8066.pdf, ID=AMP000003, Manufacturer Part Number=AD8065ARZ, Part Value=AD8065ARZ, Supplier 1=Mouser, Supplier 2=Digikey, Supplier Part Number 2=505-AD8065ARZ-ND, Type="FastFET Op Amps"
U15: library part LG000020, Case=TSSOP-14, Manufacturer="Analog Devices", Supplier Part Number 1=ADG1604BRUZ-REEL7CT-ND, ComponentLink1Description=Datasheet, ComponentLink1URL=https://www.analog.com/media/en/technical-documentation/data-sheets/ADG1604.pdf, ID=LG000020, Manufacturer Part Number=ADG1604BRUZ-REEL7, Part Value=ADG1604BRUZ-REEL7, Supplier 1=Digikey, Supplier 2=Mouser, Supplier Part Number 2=584-ADG1604BRUZ-R7, Type=Multiplexer
U16: library part LG000021, Case=20-LFCSP_UQ, Manufacturer="Analog Devices", Supplier Part Number 1=505-ADG854BCPZ-REEL7CT-ND, ComponentLink1Description=Datasheet, ComponentLink1URL=https://www.analog.com/media/en/technical-documentation/data-sheets/ADG854.pdf, ID=LG000021, Manufacturer Part Number=ADG854BCPZ, Part Value=ADG854BCPZ, Supplier 1=Digikey, Supplier 2=Mouser, Supplier Part Number 2=584-ADG854BCPZ-R7, Type=Multiplexer
U17: library part RF000011, "Prescaler 5V Divide By 1/2/4/8 24000MHz 16-Pin LFCSP EP Cut Tape", Case="16-LFCSP (3x3)", Manufacturer="Analog Devices", Mouser Part Number=584-HMC862ALP3E, ComponentLink1Description=Datasheet, ComponentLink1URL=https://www.analog.com/media/en/technical-documentation/data-sheets/hmc862a.pdf, Datasheet Link=https://www.mouser.jp/datasheet/2/609/hmc862a-1504252.pdf, Geometry.Height=0.9mm, ID=RF000011, Manufacturer Part Number=HMC862ALP3E, Manufacturer_Name="Analog Devices", Manufacturer_Part_Number=HMC862ALP3E, Mouser Price/Stock=https://www.mouser.co.uk/ProductDetail/Analog-Devices/HMC862ALP3E?qs=JeIcUl65ClBGwj3wYTXQsA%3D%3D, Part Value=HMC862ALP3E, Supplier 1=Mouser, Supplier 2=Digikey, Supplier Part Number 1=584-HMC862ALP3E, Supplier Part Number 2=505-HMC862ALP3E-ND, Type=Prescaler
U18: library part RF000015, Case=MC1630-1, Manufacturer=Minicircuits, Supplier Part Number 1=139-KAT-3+, ComponentLink1Description=Datasheet, ComponentLink1URL=https://www.minicircuits.com/pdfs/KAT-3+.pdf, ID=RF000015, Manufacturer Part Number=KAT-3+, Part Value=KAT-3+, Supplier 1=Mouser, Supplier 2=Digikey, Supplier Part Number 2=3157-KAT-3+CT-ND, Type=Attenuator
U19 U20: library part RF000016, Case=MC1630-1, Manufacturer=Minicircuits, Supplier Part Number 1=139-KAT-20+, ComponentLink1Description=Datasheet, ComponentLink1URL=https://www.minicircuits.com/pdfs/KAT-20+.pdf, ID=RF000016, Manufacturer Part Number=KAT-20+, Part Value=KAT-20+, Supplier 1=Mouser, Supplier 2=Digikey, Supplier Part Number 2=3157-KAT-20+CT-ND, Type=Attenuator
U21: library part RF000012, "RUVETX1 LO-Eingang bei 20 GHz", Case=custom, Manufacturer=RUB, ID=RF000012, Manufacturer Part Number=RUVETX1_LO_20GHz, Part Value=RUVETX1_LO_20GHz, Type="Radar Transmitter"
U22: library part RF000013, "RUVETX1 LO-Eingang bei 20 GHz", Case=custom, Manufacturer=RUB, ID=RF000013, Manufacturer Part Number=RUVERX1_LO_20GHz, Part Value=RUVERX1_LO_20GHz, Type="Radar Receiver"
X1: library part X000004, Manufacturer="Phoenix Contact", Supplier Part Number 1=651-1843790, Case=31843790, ComponentLink1Description=Datasheet, ComponentLink1URL=https://www.phoenixcontact.com/en-us/products/pcb-header-mc-15-2-gf-35-1843790?type=pdf, ID=X000004, Manufacturer Part Number=31843790, Part Value=31843790, Supplier 1=Mouser, Supplier 2=Digikey, Supplier Part Number 2=277-5882-ND, Type="Phoenix Board Connector"
X2: library part X000003, Case=TC2030, Manufacturer=Tag-Connect, Manufacturer Part Number="SWD TC2030", ComponentLink1Description=Datasheet, ComponentLink1URL=https://www.tag-connect.com/wp-content/uploads/bsk-pdf-manager/TC2030-CTX_1.pdf, ID=X000003, Part Value="SWD TC2030", Type="SWD TC2030"
X3: library part X000025, Manufacturer=Samtec, Manufacturer Part Number=TSW-110-07-G-D, Supplier Part Number 1=SAM1028-10-ND, ComponentLink1Description=Datasheet, ComponentLink1URL=https://www.mouser.de/datasheet/3/85/1/htsw_th.pdf, ID=X000025, Part Value=gen_pinheader_2.54_2x10, Supplier 1=Digikey, Supplier 2=Mouser, Supplier Part Number 2=200-TSW11007GD, Type=gen_pinheader_2.54_2x10
X4: library part X000024, Case=TL3301, Manufacturer=E-Switch, Manufacturer Part Number=TL3301AF160QG, Supplier Part Number 1=EG2526CT-ND, ComponentLink1Description=Datasheet, ComponentLink1URL=https://configured-product-images.s3.amazonaws.com/Datasheets/TL3301.pdf, ID=X000024, Part Value=TL3301AF160QG, Supplier 1=Digikey, Type=Tastschalter
Y1: library part Y000001, Case="SMD 4-Pin 5x3.2mm", Manufacturer=ECS, Supplier Part Number 1=XC1839CT-ND, ComponentLink1Description=Datasheet, ComponentLink1URL=https://ecsxtal.com/store/pdf/ecx_53b.pdf, ID=Y000001, Manufacturer Part Number=ECS-160-8-30B-CKM, Part Value=ECS-160-8-30B-CKM, Supplier 1=Digikey, Supplier 2=Mouser, Supplier Part Number 2=520-160-8-30B-CKM, Type=XTAL
Y2: library part Y000004, "VCO Oscillators Custom DRT Quad Band VCO 18.2- 26.5 GHz", Case="40-LFCSP (6x6)", Manufacturer="Analog Devices", Manufacturer_Part_Number=HMC862ALP3E, Mouser Part Number=584-HMC862ALP3E, Supplier Part Number 1=505-HMC8364LP6GE-ND, ComponentLink1Description=Datasheet, ComponentLink1URL=https://www.analog.com/media/en/technical-documentation/data-sheets/hmc8364.pdf, Datasheet Link=https://www.mouser.jp/datasheet/2/609/hmc862a-1504252.pdf, Geometry.Height=0.9mm, ID=Y000004, Manufacturer Part Number=HMC8364LP6GE, Manufacturer_Name="Analog Devices", Mouser Price/Stock=https://www.mouser.co.uk/ProductDetail/Analog-Devices/HMC862ALP3E?qs=JeIcUl65ClBGwj3wYTXQsA%3D%3D, Part Value=HMC8364LP6GE, Supplier 1=Digikey, Supplier 2=Mouser, Supplier Part Number 2=584-HMC8364LP6GE, Type=VCO